# Altium PCB Dashcam_V2.0B.PcbDoc (part 1 of 8) (continued)
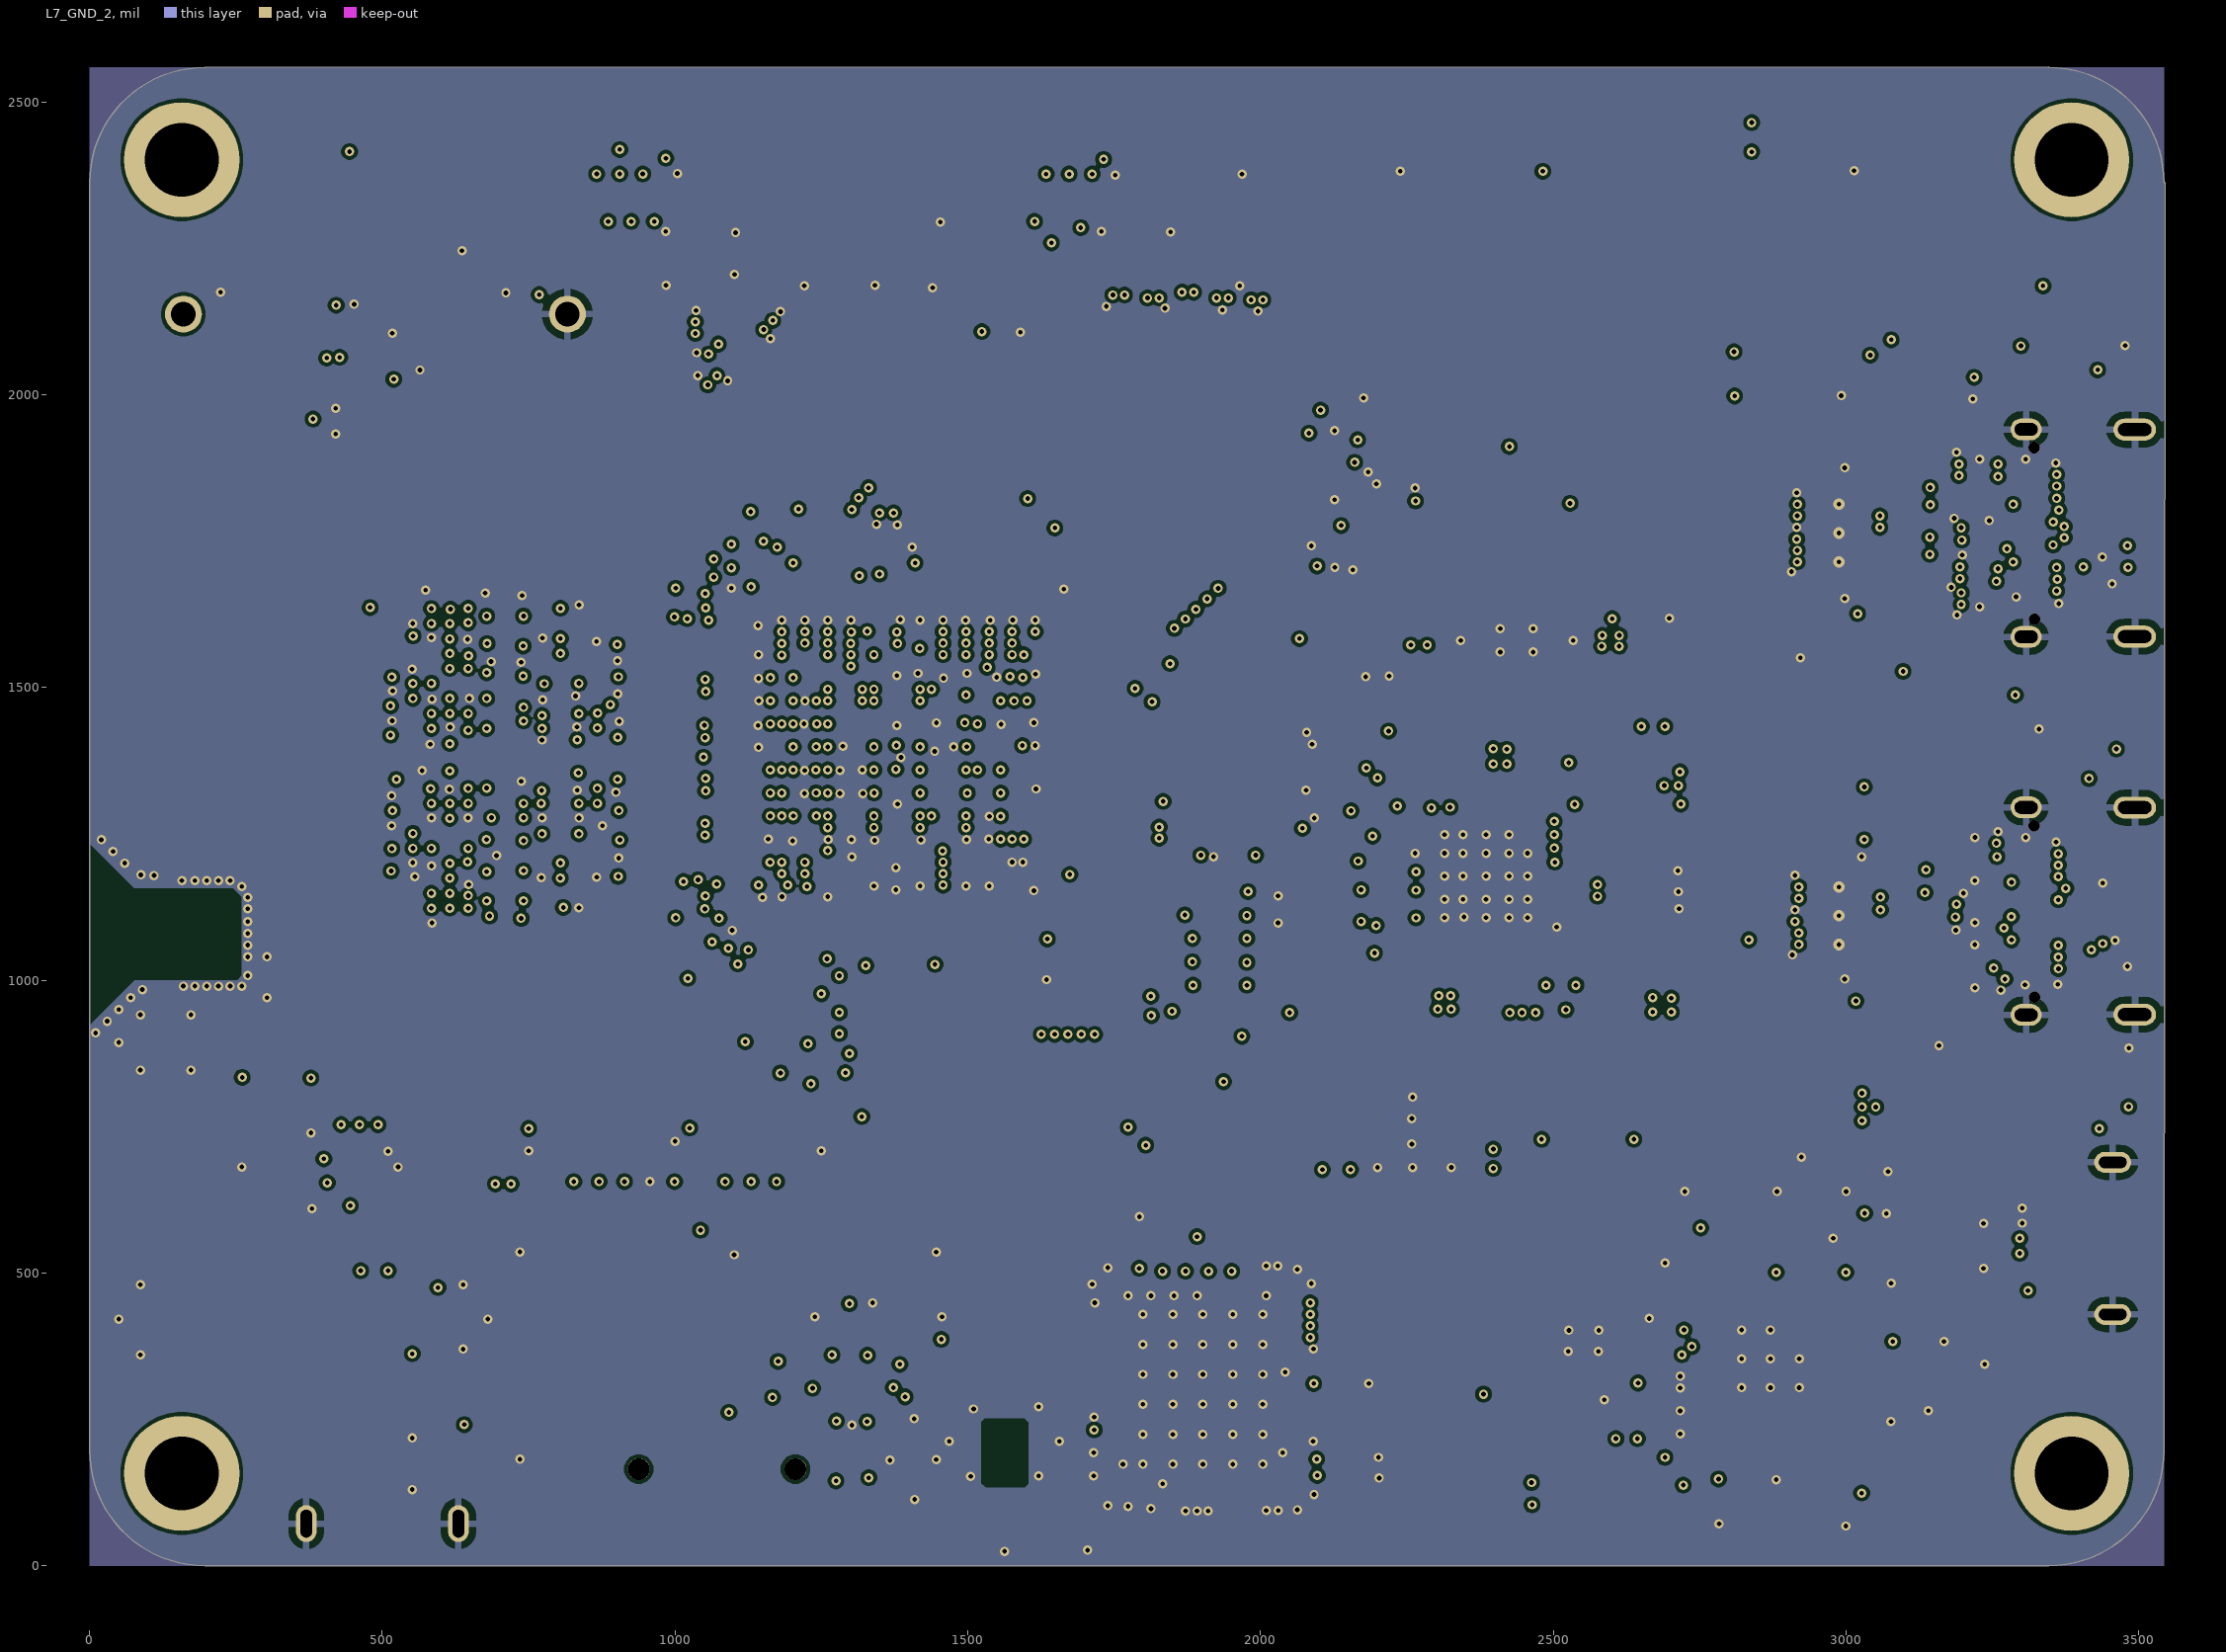
[diagram p7: L7_GND_2]

## Layer stack, top to bottom
Top solder: solder mask 0.4, SM-001, Dk 3.5
TOP: signal copper 0.5906
Dielectric 1: prepreg 2.5, FR-4, Dk 3.49
L2_GND: signal copper 1.378
Dielectric 2: core 2.95, FR-4, Dk 3.97
L3_IN1: signal copper 1.378
Dielectric 3: prepreg 2.5, FR-4, Dk 4.2
L4_IN2: signal copper 1.378
Dielectric 7: core 22.8346, Core-009, Dk 4.5
L5_PWR2: signal copper 1.378
Dielectric 6: prepreg 2.5, PP-006, Dk 4.1
L6_PWR1: signal copper 1.378
Dielectric 4: core 2.95, FR4, Dk 3.97
L7_GND_2: signal copper 1.378
Dielectric 5: prepreg 2.5, FR-4, Dk 3.49
BOTTOM: signal copper 0.5906
Bottom Solder: solder mask 1, SM-001, Dk 4

## Board outline
0,196.85 0,2362.2 cw(c196.85,2362.2) 196.85,2559.06 3346.46,2560.37 3346.46,2559.06 cw(c3346.46,2362.2) 3543.31,2362.2 3544.65,2362.2 3543.31,196.85 cw(c3346.46,196.85) 3346.46,0 196.85,0 cw(c196.85,196.85)

## Design rules (kind name [scope] priority, off if disabled: settings)
BoardOutlineClearance [(InNet('GND')AND IsPolygon)] p1: gap=10 ignorepadtopadclearanceinfootprint=FALSE except(-1.97: Poly-OutlineEdge; 0: Arc-SplitContinuation Track-SplitContinuation SMDPad-SplitContinuation THPad-SplitContinuation Via-SplitContinuation Fill-SplitContinuation Poly-SplitContinuation Region-SplitContinuation Text-SplitContinuation)
Clearance Escape_region [OnLayer('TOP') vs InBGA] p1: gap=6 ignorepadtopadclearanceinfootprint=TRUE except(2.5: Arc-SMDPad Track-SMDPad; 3: Arc-Arc Arc-Track Arc-THPad Arc-Via Track-Track Track-THPad Track-Via SMDPad-SMDPad SMDPad-THPad SMDPad-Via THPad-THPad THPad-Via Via-Via)
Clearance ALL-ALL [All] p2: gap=6 ignorepadtopadclearanceinfootprint=TRUE except(3: Arc-Arc Arc-Track Arc-SMDPad Arc-THPad Arc-Via Track-Track Track-SMDPad Track-THPad Track-Via SMDPad-SMDPad SMDPad-THPad SMDPad-Via THPad-THPad THPad-Via Via-Via)
ComponentClearance [All] p1: gap=10 collisioncheckmode=3 verticalgap=7 showdistances=TRUE
DiffPairsRouting DIFF85 [InDifferentialPairClass('Z85')] p1: maxlimit=10 minlimit=4 mostfreqgap=4 toplayer_prefgap=4.4 toplayer_minwidth=3 toplayer_maxwidth=4.6 toplayer_prefwidth=4.6 midlayer1_minwidth=3 midlayer1_maxwidth=10 midlayer1_prefwidth=10 midlayer2_prefgap=4.5 midlayer2_minwidth=3 midlayer2_maxwidth=3.4 midlayer2_prefwidth=3.4 midlayer3_minwidth=3 midlayer3_maxwidth=10 midlayer3_prefwidth=10 midlayer4_minwidth=3 midlayer4_maxwidth=10 midlayer4_prefwidth=10 midlayer5_minwidth=3 midlayer5_maxwidth=10 midlayer5_prefwidth=10 midlayer6_minwidth=3 midlayer6_maxwidth=10 midlayer6_prefwidth=10 bottomlayer_prefgap=4.4 bottomlayer_minwidth=3 bottomlayer_maxwidth=4.6 bottomlayer_prefwidth=4.6 maxuncoupledlength=500
DiffPairsRouting DIFF100 [InDifferentialPairClass('Z100')] p2: maxlimit=10 minlimit=4 mostfreqgap=4 toplayer_prefgap=5.6 toplayer_minwidth=3 toplayer_maxwidth=3.4 toplayer_prefwidth=3.4 midlayer1_minwidth=3 midlayer1_maxwidth=10 midlayer1_prefwidth=10 midlayer2_prefgap=8.1 midlayer2_minwidth=3 midlayer2_maxwidth=3 midlayer2_prefwidth=3 midlayer3_minwidth=3 midlayer3_maxwidth=10 midlayer3_prefwidth=10 midlayer4_minwidth=3 midlayer4_maxwidth=10 midlayer4_prefwidth=10 midlayer5_minwidth=3 midlayer5_maxwidth=10 midlayer5_prefwidth=10 midlayer6_minwidth=3 midlayer6_maxwidth=10 midlayer6_prefwidth=10 bottomlayer_prefgap=5.6 bottomlayer_minwidth=3 bottomlayer_maxwidth=3.4 bottomlayer_prefwidth=3.4 maxuncoupledlength=500
DiffPairsRouting DIFF90 [InDifferentialPairClass('Z90')] p3: maxlimit=10 minlimit=4 mostfreqgap=4 toplayer_prefgap=4.5 toplayer_minwidth=3 toplayer_maxwidth=4 toplayer_prefwidth=4 midlayer1_minwidth=3 midlayer1_maxwidth=10 midlayer1_prefwidth=10 midlayer2_prefgap=5.3 midlayer2_minwidth=3 midlayer2_maxwidth=3.2 midlayer2_prefwidth=3.2 midlayer3_minwidth=3 midlayer3_maxwidth=10 midlayer3_prefwidth=10 midlayer4_minwidth=3 midlayer4_maxwidth=10 midlayer4_prefwidth=10 midlayer5_minwidth=3 midlayer5_maxwidth=10 midlayer5_prefwidth=10 midlayer6_minwidth=3 midlayer6_maxwidth=10 midlayer6_prefwidth=10 bottomlayer_prefgap=4.5 bottomlayer_minwidth=3 bottomlayer_maxwidth=4 bottomlayer_prefwidth=4 maxuncoupledlength=500
DiffPairsRouting All_Diff_100ohm [All] p4: maxlimit=10 minlimit=4 mostfreqgap=4 toplayer_prefgap=5.6 toplayer_minwidth=3 toplayer_maxwidth=3.4 toplayer_prefwidth=3.4 midlayer1_minwidth=3 midlayer1_maxwidth=10 midlayer1_prefwidth=10 midlayer2_prefgap=8.1 midlayer2_minwidth=3 midlayer2_maxwidth=3 midlayer2_prefwidth=3 midlayer3_minwidth=3 midlayer3_maxwidth=10 midlayer3_prefwidth=10 midlayer4_minwidth=3 midlayer4_maxwidth=10 midlayer4_prefwidth=10 midlayer5_minwidth=3 midlayer5_maxwidth=10 midlayer5_prefwidth=10 midlayer6_minwidth=3 midlayer6_maxwidth=10 midlayer6_prefwidth=10 bottomlayer_prefgap=5.6 bottomlayer_minwidth=3 bottomlayer_maxwidth=3.4 bottomlayer_prefwidth=3.4 maxuncoupledlength=500
Height Height_BOT [(OnLayer('Bottom Layer'))] p2: minheight=0 maxheight=236.22 prefheight=157.48
HoleSize [All] p1 off: absolutevalues=TRUE maxlimit=100 minlimit=5 maxpercent=80.000 minpercent=20.000
MatchedLengths MatchedLengths_DDR_CLOCKS_STROBES_1 [InxSignalClass('ADDR_PPB1') OR InxSignalClass('DATA_DQB0') OR InxSignalClass('DATA_DQB1')] p1: tolerance=5 checknetsindiffpair=TRUE checkdiffpairvsdiffpair=FALSE checkxsignals=FALSE checkothers=FALSE
MatchedLengths MatchedLengths_DATA_DQB1 [InxSignalClass('DATA_DQB1')] p2: tolerance=50 checknetsindiffpair=FALSE checkdiffpairvsdiffpair=TRUE checkxsignals=TRUE checkothers=TRUE
MatchedLengths MatchedLengths_DATA_DQB0 [InxSignalClass('DATA_DQB0')] p3: tolerance=50 checknetsindiffpair=FALSE checkdiffpairvsdiffpair=TRUE checkxsignals=TRUE checkothers=TRUE
MatchedLengths MatchedLengths_ADDR_PPB1 [InxSignalClass('ADDR_PPB1')] p4: tolerance=50 checknetsindiffpair=FALSE checkdiffpairvsdiffpair=TRUE checkxsignals=TRUE checkothers=TRUE
MatchedLengths MatchedLengths_DDR_CLOCKS_STROBES [InxSignalClass('ADDR_PP1') OR InxSignalClass('DATA_DQA0') OR InxSignalClass('DATA_DQA1')] p5: tolerance=5 checknetsindiffpair=TRUE checkdiffpairvsdiffpair=FALSE checkxsignals=FALSE checkothers=FALSE
MatchedLengths MatchedLengths_DATA_DQA1 [InxSignalClass('DATA_DQA1')] p6: tolerance=50 checknetsindiffpair=FALSE checkdiffpairvsdiffpair=TRUE checkxsignals=TRUE checkothers=TRUE
MatchedLengths MatchedLengths_DATA_DQA0 [InxSignalClass('DATA_DQA0')] p7: tolerance=50 checknetsindiffpair=FALSE checkdiffpairvsdiffpair=TRUE checkxsignals=TRUE checkothers=TRUE
MatchedLengths MatchedLengths_ADDR_PP1 [InxSignalClass('ADDR_PP1')] p8: tolerance=50 checknetsindiffpair=FALSE checkdiffpairvsdiffpair=TRUE checkxsignals=TRUE checkothers=TRUE
MatchedLengths MatchedLengths_eMMC [InNetClass('eMMC')] p9: tolerance=10 checknetsindiffpair=FALSE checkdiffpairvsdiffpair=TRUE checkxsignals=TRUE checkothers=TRUE
MatchedLengths MatchedLengths_uSD_2 [InNetClass('MICROSD')] p10: tolerance=10 checknetsindiffpair=FALSE checkdiffpairvsdiffpair=TRUE checkxsignals=TRUE checkothers=TRUE
MatchedLengths MatchedLengths_uSD_1 [InNetClass('MICROSD1')] p11: tolerance=10 checknetsindiffpair=FALSE checkdiffpairvsdiffpair=TRUE checkxsignals=TRUE checkothers=TRUE
MatchedLengths DIFF_PAIRS_Z90 [InDifferentialPairClass('Z90')] p12: tolerance=3.94 checknetsindiffpair=TRUE checkdiffpairvsdiffpair=FALSE checkxsignals=FALSE checkothers=FALSE
MatchedLengths DIFF_PAIRS_Z100 [InDifferentialPairClass('Z100')] p13: tolerance=3.94 checknetsindiffpair=TRUE checkdiffpairvsdiffpair=FALSE checkxsignals=FALSE checkothers=FALSE
MatchedLengths DIFF_PAIRS_Z100_intrapair [InNetClass('CSI1_Z100')] p14: tolerance=10 checknetsindiffpair=FALSE checkdiffpairvsdiffpair=TRUE checkxsignals=TRUE checkothers=TRUE
MatchedLengths DIFF_PAIRS_Z100_intrapair_2 [InNetClass('CSI2_Z100')] p15: tolerance=10 checknetsindiffpair=FALSE checkdiffpairvsdiffpair=TRUE checkxsignals=TRUE checkothers=TRUE
MatchedLengths DIIFF_PAIRS_Z85 [InDifferentialPairClass('All Differential Pairs')] p16: tolerance=3.94 checknetsindiffpair=TRUE checkdiffpairvsdiffpair=FALSE checkxsignals=FALSE checkothers=FALSE
MinimumSolderMaskSliver [All] p1: minsoldermaskwidth=0
PlaneConnect PlaneConnect_1 [IsVia] p1: planeconnectstyle=Direct reliefexpansion=20 reliefentries=4 reliefconductorwidth=10 reliefairgap=10
PlaneConnect [IsPad] p2: planeconnectstyle=Direct reliefexpansion=19.68 reliefentries=4 reliefconductorwidth=11.81 reliefairgap=9.84
PolygonConnect [IsPolygon vs IsPad] p1: thpad.connectstyle=Relief thpad.reliefconductorwidth=11.81 thpad.reliefentries=4 thpad.polygonreliefangle="90 Angle" thpad.airgapwidth=11.81 smdpad.connectstyle=Relief smdpad.reliefconductorwidth=10 smdpad.reliefentries=4 smdpad.polygonreliefangle="90 Angle" smdpad.airgapwidth=8 via.connectstyle=Direct via.reliefconductorwidth=11.81 via.reliefentries=4 via.polygonreliefangle="90 Angle" via.airgapwidth=11.81
PolygonConnect Polygon_Via [IsPolygon vs IsVia] p2: connectstyle=Direct reliefconductorwidth=10 reliefentries=4 polygonreliefangle="90 Angle" airgapwidth=10
RoutingTopology RoutingTopology_DDRAddressAndControls_1 [InNetClass('DDR_AddressAndControls_1')] p1: topology=Daisy_Simple
RoutingTopology RoutingTopology_DDRAddressAndControls [InNetClass('DDR_AddressAndControls')] p2: topology=Daisy_Simple
RoutingTopology [All] p3: topology=Shortest
RoutingVias [All] p1: holewidth=7.99 width=15.98 viastyle="Through Hole" minholewidth=8 minwidth=13.98 maxholewidth=129.92 maxwidth=50
SilkToSilkClearance [All] p1: silktosilkclearance=0
SilkToSolderMaskClearance SilkscreenOverComponentPads [IsPad] p1: minsilkscreentomaskgap=0 clearancetoexposedcopper=TRUE
SolderMaskExpansion SolderMaskExpVia [IsVia] p1: expansion=-3 istentingtop=TRUE
SolderMaskExpansion SolderMaskExpPad [IsPad] p2: expansion=2 istentingtop=FALSE
SupplyNets "Schematic Supply Nets_23" [InNet('VDD_3V3')] p1: voltage=0.000
SupplyNets "Schematic Supply Nets_22" [InNet('VDD_ARM')] p2: voltage=0.000
SupplyNets "Schematic Supply Nets_21" [InNet('AFGND3')] p3: voltage=0.000
SupplyNets "Schematic Supply Nets_20" [InNet('NVCC_DRAM_1V1')] p4: voltage=0.000
SupplyNets "Schematic Supply Nets_19" [InNet('USB1_OTG_VBUS')] p5: voltage=0.000
SupplyNets "Schematic Supply Nets_18" [InNet('NVCC_SD2')] p6: voltage=0.000
SupplyNets "Schematic Supply Nets_17" [InNet('AGND1')] p7: voltage=0.000
SupplyNets "Schematic Supply Nets_16" [InNet('VDD_SNVS_0V8')] p8: voltage=0.000
SupplyNets "Schematic Supply Nets_15" [InNet('VSYS_5V')] p9: voltage=0.000
SupplyNets "Schematic Supply Nets_14" [InNet('USB_UART_3V3')] p10: voltage=0.000
SupplyNets "Schematic Supply Nets_13" [InNet('VDD_5V')] p11: voltage=0.000
SupplyNets "Schematic Supply Nets_12" [InNet('VSD_3V3')] p12: voltage=0.000
SupplyNets "Schematic Supply Nets_11" [InNet('USB_PWR_VBUS')] p13: voltage=0.000
SupplyNets "Schematic Supply Nets_10" [InNet('VGPS_3V3')] p14: voltage=0.000
SupplyNets "Schematic Supply Nets_9" [InNet('VEXT_3V3_CAM1')] p15: voltage=0.000
SupplyNets "Schematic Supply Nets_8" [InNet('VEXT_3V3_CAM3')] p16: voltage=0.000
SupplyNets "Schematic Supply Nets_6" [InNet('AFGND1')] p17: voltage=0.000
SupplyNets "Schematic Supply Nets_5" [InNet('VDD_1V8')] p18: voltage=0.000
SupplyNets "Schematic Supply Nets_4" [InNet('GND')] p19: voltage=0.000
SupplyNets "Schematic Supply Nets_3" [InNet('NVCC_SNVS_1V8')] p20: voltage=0.000
SupplyNets "Schematic Supply Nets_2" [InNet('AGND3')] p21: voltage=0.000
SupplyNets "Schematic Supply Nets_1" [InNet('VDD_SOC')] p22: voltage=0.000
SupplyNets "Schematic Supply Nets" [InNet('VDDA_1V8')] p23: voltage=0.000
UnRoutedNet [All] p1: checkbadconnections=TRUE
Width POWER [InNetClass('POWER')] p1: maxlimit=80 minlimit=6 preferedwidth=10 minimp=50.000000 maximp=50.000000 favimp=50.000000
Width 50Ohm [InNetClass('ADD_CMD_CTRLA_G1') OR InNetClass('ADD_CMD_CTRLA_G2') OR InNetClass('ADD_CMD_CTRLA_G3') OR InNetClass('ADD_CMD_CTRLB_G1') OR InNetClass('Z50') OR InNetClass('ADD_CMD_CTRLB_G2') OR InNetClass('ADD_CMD_CTRLB_G3')] p2: maxlimit=80 minlimit=3 preferedwidth=10 toplayer_maxwidth=4.4 toplayer_prefwidth=4.4 midlayer1_maxwidth=10 midlayer2_maxwidth=3.6 midlayer2_prefwidth=3.6 midlayer5_maxwidth=5 midlayer5_prefwidth=5 bottomlayer_maxwidth=4.4 bottomlayer_prefwidth=4.4 minimp=50.000000 maximp=50.000000 favimp=50.000000
Width eMMC [InNetClass('eMMC')] p3: maxlimit=80 minlimit=3 preferedwidth=10 toplayer_maxwidth=4.4 toplayer_prefwidth=4.4 midlayer1_maxwidth=10 midlayer2_maxwidth=3.6 midlayer2_prefwidth=3.6 midlayer5_maxwidth=5 midlayer5_prefwidth=5 bottomlayer_maxwidth=4.4 bottomlayer_prefwidth=4.4 minimp=50.000000 maximp=50.000000 favimp=50.000000
Width uSD2 [InNetClass('MICROSD')] p4: maxlimit=80 minlimit=3 preferedwidth=10 toplayer_maxwidth=4.4 toplayer_prefwidth=4.4 midlayer1_maxwidth=10 midlayer2_maxwidth=3.6 midlayer2_prefwidth=3.6 midlayer5_maxwidth=5 midlayer5_prefwidth=5 bottomlayer_maxwidth=4.4 bottomlayer_prefwidth=4.4 minimp=50.000000 maximp=50.000000 favimp=50.000000
Width uSD2_1 [InNetClass('MICROSD1')] p5: maxlimit=80 minlimit=3 preferedwidth=10 toplayer_maxwidth=4.4 toplayer_prefwidth=4.4 midlayer1_maxwidth=10 midlayer2_maxwidth=3.6 midlayer2_prefwidth=3.6 midlayer5_maxwidth=5 midlayer5_prefwidth=5 bottomlayer_maxwidth=4.4 bottomlayer_prefwidth=4.4 minimp=50.000000 maximp=50.000000 favimp=50.000000
Width [All] p6: maxlimit=80 minlimit=3 preferedwidth=10 toplayer_prefwidth=4.4 midlayer2_prefwidth=3.6 midlayer5_prefwidth=5 bottomlayer_prefwidth=4.4 minimp=50.000000 maximp=50.000000 favimp=50.000000
21 further rules are at their usual default settings.

## Classes and differential pairs
net class DDR_AddressAndControls_1: DRAM_CA0_B DRAM_CA1_B DRAM_CA2_B DRAM_CA3_B DRAM_CA4_B DRAM_CA5_B DRAM_CK_A_N DRAM_CK_A_P DRAM_CK_B_N DRAM_CK_B_P DRAM_CKE0_B DRAM_CKE1_B DRAM_DMI0_B DRAM_DMI1_B DRAM_nCS0_A DRAM_nCS0_B DRAM_nCS1_A DRAM_nCS1_B DRAM_nRESET DRAM_SDQS0_B_N DRAM_SDQS1_B_N NVCC_DRAM_1V1
net class DDR_AddressAndControls: DRAM_CA0_A DRAM_CA0_B DRAM_CA1_A DRAM_CA1_B DRAM_CA2_A DRAM_CA2_B DRAM_CA3_A DRAM_CA3_B DRAM_CA4_A DRAM_CA4_B DRAM_CA5_A DRAM_CA5_B DRAM_CK_A_N DRAM_CK_A_P DRAM_CK_B_N DRAM_CK_B_P DRAM_CKE0_A DRAM_CKE0_B DRAM_CKE1_A DRAM_CKE1_B DRAM_nCS0_A DRAM_nCS0_B DRAM_nCS1_A DRAM_nCS1_B DRAM_nRESET NVCC_DRAM_1V1
net class Z50: DRAM_CA0_A DRAM_CA0_B DRAM_CA1_A DRAM_CA1_B DRAM_CA2_A DRAM_CA2_B DRAM_CA3_A DRAM_CA3_B DRAM_CA4_A DRAM_CA4_B DRAM_CA5_A DRAM_CA5_B DRAM_CKE0_A DRAM_CKE0_B DRAM_CKE1_A DRAM_CKE1_B DRAM_DATA0_A DRAM_DATA0_B DRAM_DATA1_A DRAM_DATA1_B DRAM_DATA2_A DRAM_DATA2_B DRAM_DATA3_A DRAM_DATA3_B DRAM_DATA4_A DRAM_DATA4_B DRAM_DATA5_A DRAM_DATA5_B DRAM_DATA6_A DRAM_DATA6_B DRAM_DATA7_A DRAM_DATA7_B DRAM_DATA8_A DRAM_DATA8_B DRAM_DATA9_A DRAM_DATA9_B DRAM_DATA10_A DRAM_DATA10_B DRAM_DATA11_A DRAM_DATA11_B DRAM_DATA12_A DRAM_DATA12_B DRAM_DATA13_A DRAM_DATA13_B DRAM_DATA14_A DRAM_DATA14_B DRAM_DATA15_A DRAM_DATA15_B DRAM_DMI0_A DRAM_DMI0_B DRAM_DMI1_A DRAM_DMI1_B DRAM_nCS0_A DRAM_nCS0_B DRAM_nCS1_A DRAM_nCS1_B GPS_ANT RF_5GHZ_WF RF_5GHZ_WF_CONN
net class MICROSD1: SD1_CLK SD1_CMD SD1_DATA0 SD1_DATA1 SD1_DATA2 SD1_DATA3
net class POWER: GND USB1_OTG_VBUS USB_PWR_VBUS VDD_3V3 VDD_5V VSD_3V3 VSYS_5V
net class MICROSD: SD2_CLK SD2_CMD SD2_DATA0 SD2_DATA1 SD2_DATA2 SD2_DATA3 SD2_nCD
component class U_WIFI_BLE: C198 C199 C200 C201 C202 C203 C204 C205 J7 R105 R113 U23
component class "U_uSD CARD": C184 C185 D7 D8 D9 D10 D11 D12 D13 J4 R107 R108 R109 R110 R111 R112
component class U_GNSS_GPS_IMU: BH1 C190 C191 C192 C193 C194 C195 C196 D20 D21 FB9 J11 R122 R125 R126 R129 R130 R131 R132 R133 U20 U21 U22 Y4
component class "U_DBG BOOT_CONF": C206 C207 C208 C209 C210 C211 C212 C213 C214 C215 C216 C217 C218 C219 C220 C221 C222 C223 C224 C225 D25 D26 FB11 FB12 J8 J9 R138 R139 R142 R143 R146 R147 R148 R149 R150 R151 R152 R153 R154 R155 R156 SW1 U24 U25 U26 Y5
component class U_CAMERA: C133 C134 C135 C136 D14 D15 D16 D17 D18 D19 FB1 FB2 FB3 FB4 FB7 FB8 J5 J6
component class Designator: C137 C138 C139 C140 C141 C142 C143 C144 C145 C146 C147 C150 C151 C153 J1 Q2 Q3 R51 R52 R53 R54 R55 R56 R57 R58 R59 R60 R61 R62 R63 R65 TP29 TP60 U5 U6 U7 U8 U9 U18 U27
net class CSI2_Z100: CSI2_CK_N CSI2_CK_P CSI2_D0_N CSI2_D0_P CSI2_D1_N CSI2_D1_P CSI2_D2_N CSI2_D2_P CSI2_D3_N CSI2_D3_P
net class CSI1_Z100: CSI1_CK_N CSI1_CK_P CSI1_D0_N CSI1_D0_P CSI1_D1_N CSI1_D1_P CSI1_D2_N CSI1_D2_P CSI1_D3_N CSI1_D3_P
differential pair class Z100: CSI1_CK CSI1_D0 CSI1_D1 CSI1_D2 CSI1_D3 CSI2_CK CSI2_D0 CSI2_D1 CSI2_D2 CSI2_D3 DSI_CK DSI_D0 DSI_D1 DSI_D2 DSI_D3 LVDS0_CLK LVDS0_TX0 LVDS0_TX1 LVDS0_TX2 LVDS0_TX3 LVDS1_CLK LVDS1_TX0 LVDS1_TX1 LVDS1_TX2 LVDS1_TX3
differential pair class Z90: 4G_USB_D DBG_USB_D S_TX1 S_TX2 SS_RX1 SS_RX2 SS_TX1 SS_TX2 SSRX1 SSRX2 SSTX1 SSTX2 USB1_D USB1_D1 USB1_RX USB1_TX USB2_D USB2_D_CN USB2_RX USB2_RX1 USB2_RX2 USB2_RX_1 USB2_RX_2 USB2_TX USB2_TX1 USB2_TX2 USB2_TX_1 USB2_TX_2 USB_GPS
differential pair class Z85: DRAM_CK_A DRAM_CK_B DRAM_SDQS0_A DRAM_SDQS0_B DRAM_SDQS1_A DRAM_SDQS1_B
net class I2C: I2C1_SCL I2C1_SDA I2C2_SCL I2C2_SDA I2C3_SCL I2C3_SDA I2C4_SCL I2C4_SDA
net class eMMC: SD3_CLK SD3_CMD SD3_DATA0 SD3_DATA1 SD3_DATA2 SD3_DATA3 SD3_DATA4 SD3_DATA5 SD3_DATA6 SD3_DATA7 SD3_STROBE
differential pair USB_GPS: +USB_GPS_P -USB_GPS_N
differential pair USB2_TX_2: +USB2_TX_2_P -USB2_TX_2_N
differential pair USB2_TX_1: +USB2_TX_1_P -USB2_TX_1_N
differential pair USB2_RX_2: +USB2_RX_2_P -USB2_RX_2_N
differential pair USB2_RX_1: +USB2_RX_1_P -USB2_RX_1_N
differential pair USB2_D_CN: +USB2_D_CN_P -USB2_D_CN_N
differential pair USB1_D1: +USB1_D1_P -USB1_D1_N
differential pair DBG_USB_D: +DBG_USB_D_P -DBG_USB_D_N
differential pair USB2_TX2: +USB2_TX2_P -USB2_TX2_N
differential pair USB2_TX1: +USB2_TX1_P -USB2_TX1_N
differential pair USB2_RX2: +USB2_RX2_P -USB2_RX2_N
differential pair USB2_RX1: +USB2_RX1_P -USB2_RX1_N
differential pair USB2_D: +USB2_D_P -USB2_D_N
differential pair SSTX2: +SSTX2_P -SSTX2_N
differential pair SSTX1: +SSTX1_P -SSTX1_N
differential pair SSRX2: +SSRX2_P -SSRX2_N
differential pair SSRX1: +SSRX1_P -SSRX1_N
differential pair SS_TX2: +SS_TX2_P -SS_TX2_N
differential pair SS_TX1: +SS_TX1_P -SS_TX1_N
differential pair SS_RX2: +SS_RX2_P -SS_RX2_N
differential pair SS_RX1: +SS_RX1_P -SS_RX1_N
differential pair S_TX2: +S_TX2_P -S_TX2_N
differential pair S_TX1: +S_TX1_P -S_TX1_N
differential pair USB2_TX: +USB2_TX_P -USB2_TX_N
differential pair USB2_RX: +USB2_RX_P -USB2_RX_N
differential pair USB1_TX: +USB1_TX_P -USB1_TX_N
differential pair USB1_RX: +USB1_RX_P -USB1_RX_N
differential pair USB1_D: +USB1_D_P -USB1_D_N
differential pair DRAM_SDQS1_B: +DRAM_SDQS1_B_P -DRAM_SDQS1_B_N
differential pair DRAM_SDQS1_A: +DRAM_SDQS1_A_P -DRAM_SDQS1_A_N
differential pair DRAM_SDQS0_B: +DRAM_SDQS0_B_P -DRAM_SDQS0_B_N
differential pair DRAM_SDQS0_A: +DRAM_SDQS0_A_P -DRAM_SDQS0_A_N
differential pair DRAM_CK_B: +DRAM_CK_B_P -DRAM_CK_B_N
differential pair DRAM_CK_A: +DRAM_CK_A_P -DRAM_CK_A_N
differential pair CSI2_D3: +CSI2_D3_P -CSI2_D3_N
differential pair CSI2_D2: +CSI2_D2_P -CSI2_D2_N
differential pair CSI2_D1: +CSI2_D1_P -CSI2_D1_N
differential pair CSI2_D0: +CSI2_D0_P -CSI2_D0_N
differential pair CSI2_CK: +CSI2_CK_P -CSI2_CK_N
differential pair CSI1_D3: +CSI1_D3_P -CSI1_D3_N
differential pair CSI1_D2: +CSI1_D2_P -CSI1_D2_N
differential pair CSI1_D1: +CSI1_D1_P -CSI1_D1_N
differential pair CSI1_D0: +CSI1_D0_P -CSI1_D0_N
differential pair CSI1_CK: +CSI1_CK_P -CSI1_CK_N
